# Altium PCB PCB-Tester-Board-V1.PcbDoc (part 6 of 7)
Units mil, origin at the board's own origin, x right, y up, seen from the top; angles counter-clockwise.
Board outline 15748.03 x 11811.02 mil, 8 copper layers (Top Layer, Inner1, Inner2, Inner3, Inner4, Inner5, Inner6, Bottom Layer), stack 59.646 mil thick; 751 components, 658 nets, 2830 pads, 1014 vias.
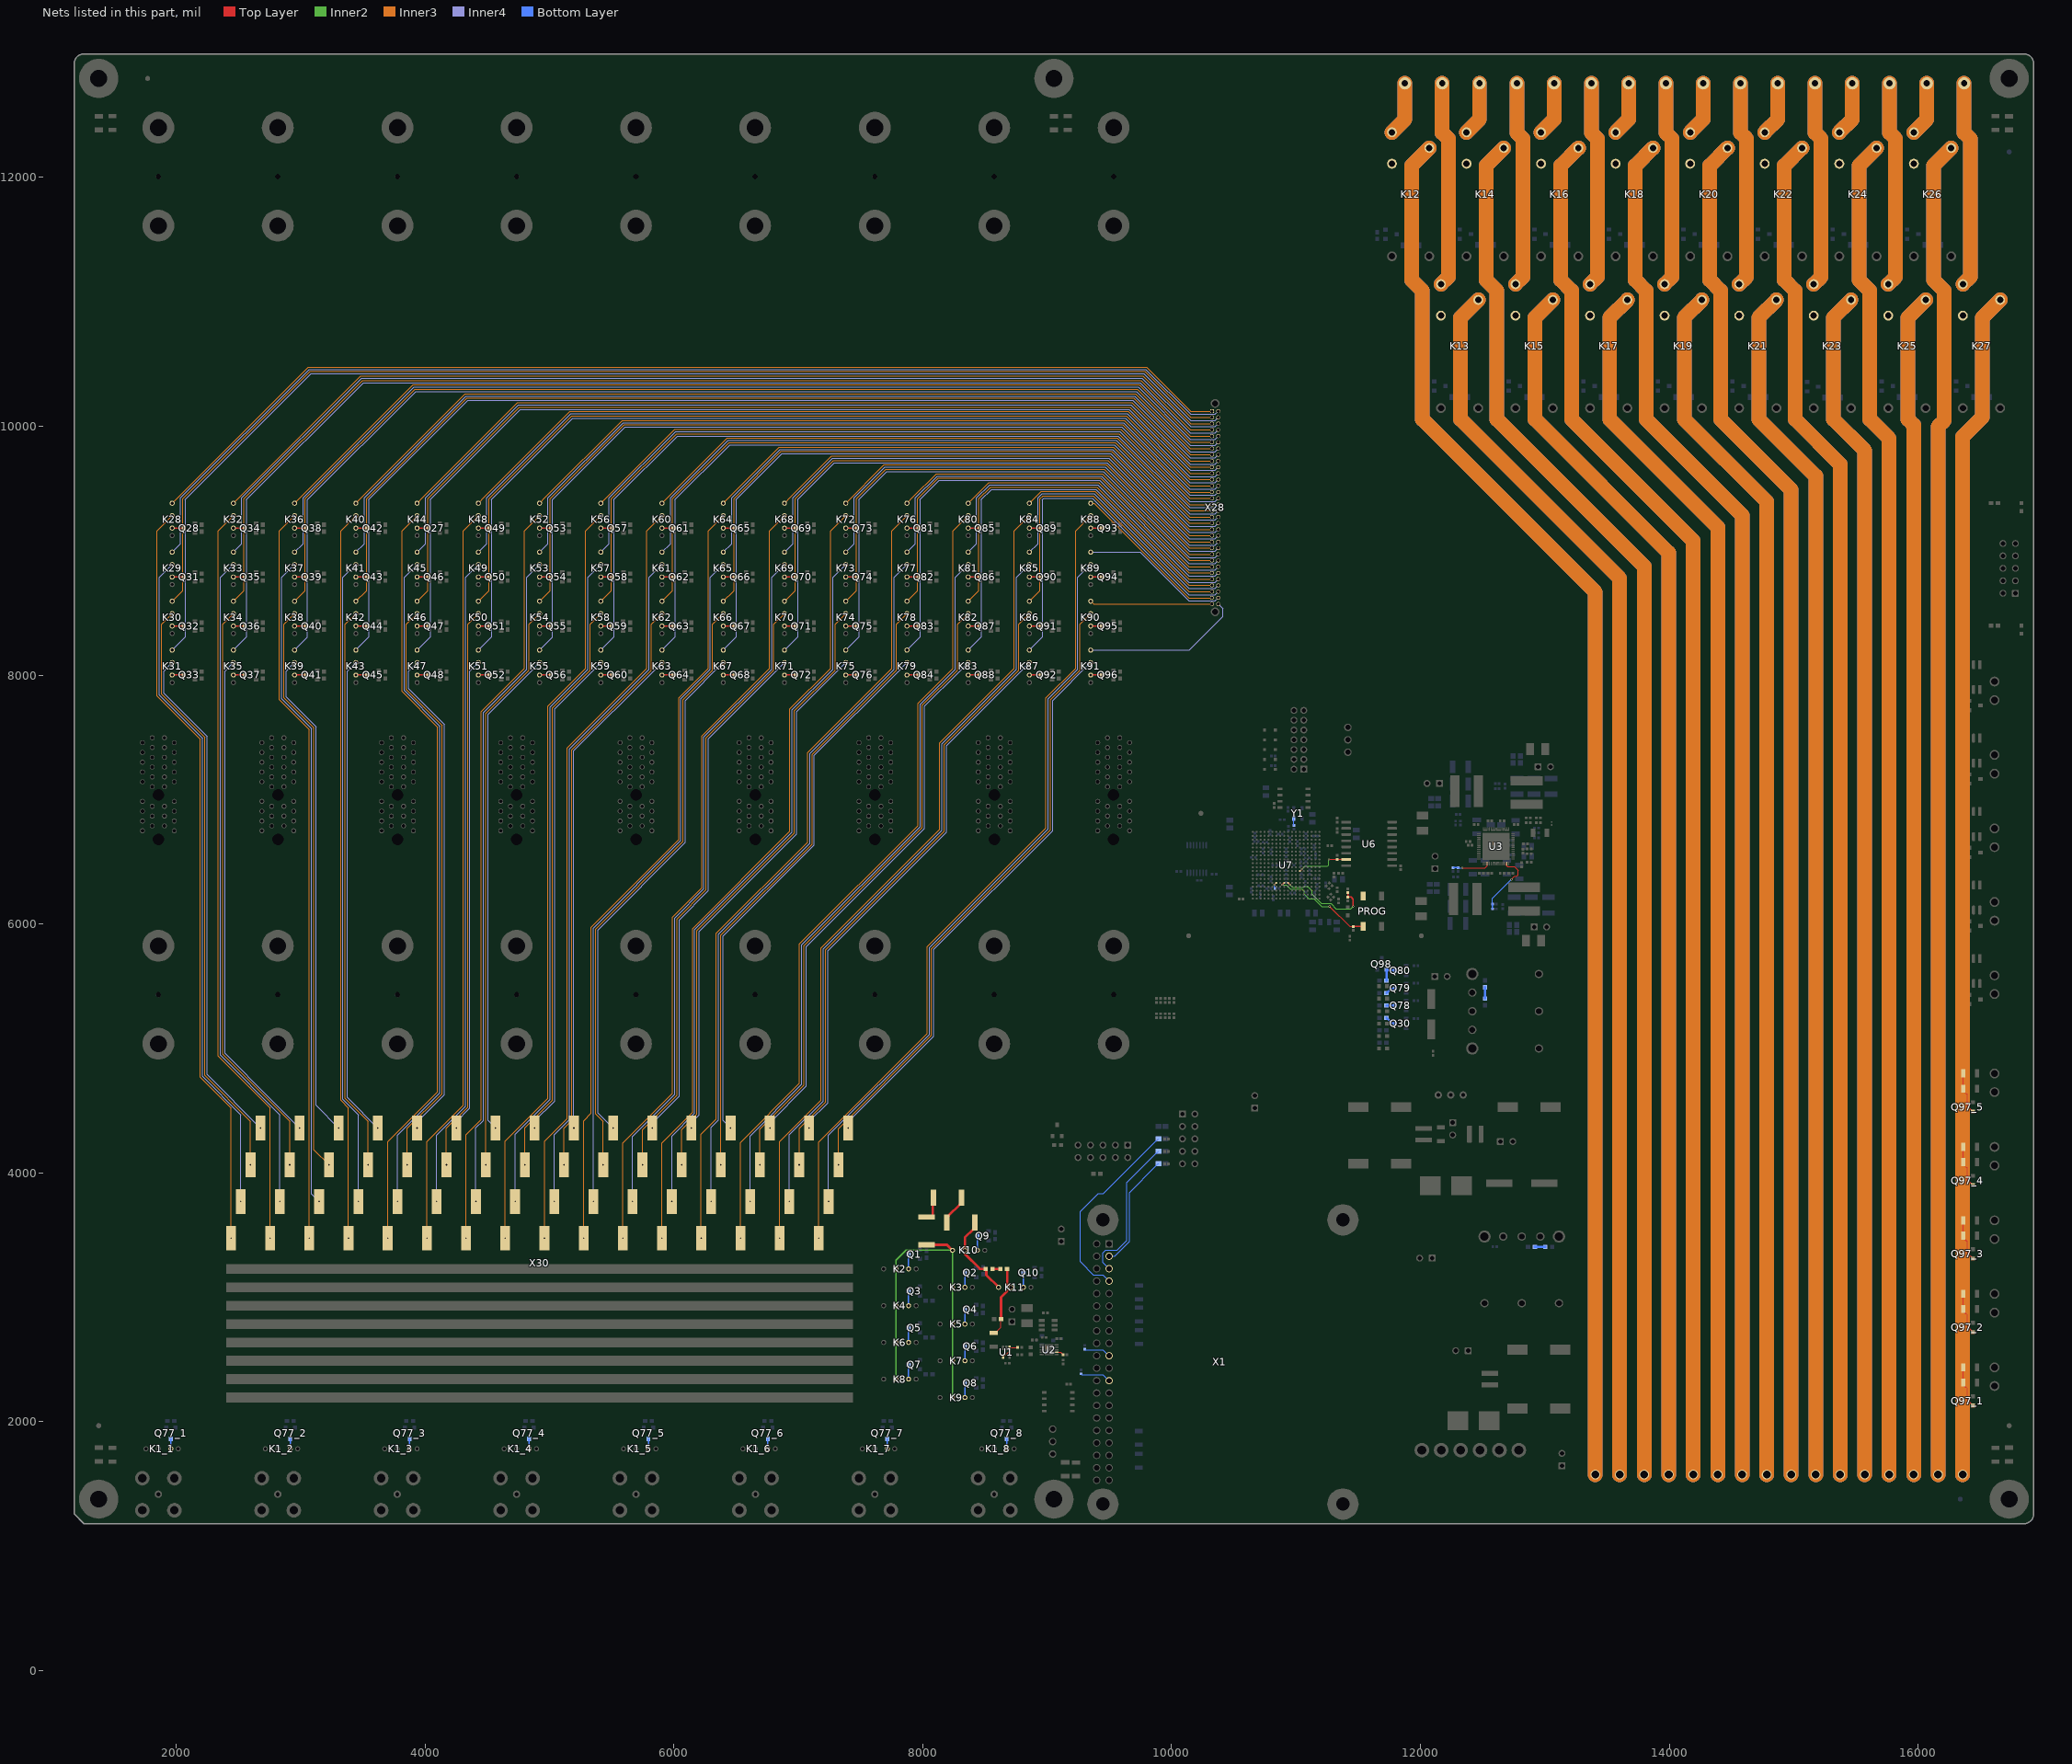
[diagram p12: the nets of this part, all layers, seen from the top]

## Via types
v1: diameter 15.75, hole 7.87, Top Layer to Bottom Layer, 599 vias
v2: diameter 31.5, hole 11.81, Top Layer to Bottom Layer, 361 vias
v3: diameter 27.56, hole 11.81, Top Layer to Bottom Layer, 54 vias

## Nets (pads, with @x,y where several pads share a name; then routed paths per layer and width w, separated by ;. In a path a pad name is that pad's centre, name@x,y a point inside that pad or via, vN(x,y) a via of type N, cw(c..) or ccw(c..) an arc to the next point about the centre after c; other vN are vias at no path point) (continued)
NetJ16_2: J16.2 X1.3 | length 936.2
  Bottom Layer w6: X1.3@9498.57,3330.32 9543.75,3330.32 9661.57,3448.14 9661.57,3842.97 9875.14,4056.54 9891.82,4073.23 J16.2@9895.76,4073.23
NetJ17_2: J17.2 X1.5 | length 1203.4
  Bottom Layer w6: X1.5@9498.57,3230.32 9449.8,3279.08 9449.8,3358.01 9472.17,3380.39 9562.99,3380.39 9641.23,3458.62 9641.23,3922.71 9875.06,4156.54 9879.08,4156.54 J17.2@9895.76,4173.23
NetJ18_2: J18.2 X1.7 | length 1570.9
  Bottom Layer w6: X1.7@9498.57,3130.32 9448.91,3179.97 9371.77,3179.97 9266.51,3285.22 9266.51,3688.48 9413.39,3835.36 9453.94,3835.36 9875.13,4256.54 9879.08,4256.54 J18.2@9895.76,4273.23
NetK1_1_2: K1_1.2 Q77_1.3 | length 80
  Bottom Layer w10: K1_1.2@1957.78,1782.32 Q77_1.3@1957.78,1862.32
NetK1_2_2: K1_2.2 Q77_2.3 | length 80
  Bottom Layer w10: K1_2.2@2917.42,1782.32 Q77_2.3@2917.42,1862.32
NetK1_3_2: K1_3.2 Q77_3.3 | length 80
  Bottom Layer w10: K1_3.2@3877.07,1782.32 Q77_3.3@3877.07,1862.32
NetK1_4_2: K1_4.2 Q77_4.3 | length 80
  Bottom Layer w10: K1_4.2@4836.71,1782.32 Q77_4.3@4836.71,1862.32
NetK1_5_2: K1_5.2 Q77_5.3 | length 80
  Bottom Layer w10: K1_5.2@5796.36,1782.32 Q77_5.3@5796.36,1862.32
NetK1_6_2: K1_6.2 Q77_6.3 | length 80
  Bottom Layer w10: K1_6.2@6756,1782.32 Q77_6.3@6756,1862.32
NetK1_7_2: K1_7.2 Q77_7.3 | length 80
  Bottom Layer w10: K1_7.2@7715.65,1782.32 Q77_7.3@7715.65,1862.32
NetK1_8_2: K1_8.2 Q77_8.3 | length 80
  Bottom Layer w10: K1_8.2@8675.3,1782.32 Q77_8.3@8675.3,1862.32
NetK2_2: K2.2 Q1.3 | length 117.3
  Bottom Layer w10: K2.2@7887.01,3228.35 Q1.3@7887.01,3345.67
NetK2_3: K2.3 K3.3 K4.3 K5.3 K6.3 K7.3 K8.3 K9.3 K10.4 R109.2 | length 2850.7
  Top Layer w20: R109.2@8031.5,3421.26 8196.06,3421.26 K10.4@8239.76,3377.56
  Inner2 w10: K8.3@7787.01,2342.52 K6.3@7787.01,2637.8 K4.3@7787.01,2933.07 K2.3@7787.01,3228.35 7787.01,3298.82 7865.75,3377.56 K10.4@8239.76,3377.56 K3.3@8239.76,3080.71 K5.3@8239.76,2785.43 K7.3@8239.76,2490.16 K9.3@8239.76,2194.88
NetK3_2: K3.2 Q2.3 | length 117.3
  Bottom Layer w10: K3.2@8339.76,3080.71 Q2.3@8339.76,3198.03
NetK4_2: K4.2 Q3.3 | length 117.3
  Bottom Layer w10: K4.2@7887.01,2933.07 Q3.3@7887.01,3050.39
NetK5_2: K5.2 Q4.3 | length 117.3
  Bottom Layer w10: K5.2@8339.76,2785.43 Q4.3@8339.76,2902.76
NetK6_2: K6.2 Q5.3 | length 117.3
  Bottom Layer w10: K6.2@7887.01,2637.8 Q5.3@7887.01,2755.12
NetK7_2: K7.2 Q6.3 | length 117.3
  Bottom Layer w10: K7.2@8339.76,2490.16 Q6.3@8339.76,2607.48
NetK8_2: K8.2 Q7.3 | length 117.3
  Bottom Layer w10: K8.2@7887.01,2342.52 Q7.3@7887.01,2459.84
NetK9_2: K9.2 Q8.3 | length 117.3
  Bottom Layer w10: K9.2@8339.76,2194.88 Q8.3@8339.76,2312.2
NetK10_2: K10.2 Q9.3 | length 117.3
  Bottom Layer w10: K10.2@8439.76,3377.56 Q9.3@8439.76,3494.88
NetK10_3: K10.3 K11.4 R110.2 R111.2 | length 694.8
  Top Layer w20: R110.2@8419.29,3602.36 8419.29,3559.06 8407.64,3547.4 8406.9,3547.4 8339.76,3480.26 K10.3@8339.76,3377.56 8340.04,3377.28 8340.04,3347.12 8458.82,3228.35 8506.25,3228.35 8512,3222.6 8512,3178.87 K11.4@8610.16,3080.71
NetK11_2: K11.2 Q10.3 | length 117.3
  Bottom Layer w10: K11.2@8810.16,3080.71 Q10.3@8810.16,3198.03
NetK11_3: K11.3 R13.2 R112.2 R177.2 | length 593.6
  Top Layer w6: R177.2@8569.96,2714.9 8585.71,2714.9 8629.92,2759.12 R13.2@8629.92,2824.8
  Top Layer w20: R13.2@8629.92,2824.8 8630.16,2825.04 8630.16,3000.71 K11.3@8710.16,3080.71 8679.13,3111.73 R112.2@8679.13,3228.35
NetK12_2: K12.2 X6.1 | length 22664
  Inner3 w118.11: K12.2@12071.65,12236.22 11929.13,12093.7 11929.13,11176.22 12016.14,11089.21 12016.14,10056.88 13405.51,8667.51 X6.1@13405.51,1574.8
  Inner4 w118.11: K12.2@12071.65,12236.22 11929.13,12093.7 11929.13,11176.22 12016.14,11089.21 12016.14,10056.88 13405.51,8667.51 X6.1@13405.51,1574.8
NetK12_3: K12.3 X5.2 | length 874
  Inner3 w118.11: K12.3@11771.65,12362.2 11876.18,12466.73 X5.2@11876.18,12755.91
  Inner4 w118.11: K12.3@11771.65,12362.2 11876.18,12466.73 X5.2@11876.18,12755.91
NetK12_4: K12.4
NetK13_2: K13.2 X6.2 | length 20060
  Inner3 w118.11: K13.2@12465.35,11015.75 12322.83,10873.23 12322.83,10056.88 13602.36,8777.36 X6.2@13602.36,1574.8
  Inner4 w118.11: K13.2@12465.35,11015.75 12322.83,10873.23 12322.83,10056.88 13602.36,8777.36 X6.2@13602.36,1574.8
NetK13_3: K13.3 X5.1 | length 3317.5
  Inner3 w118.11: K13.3@12165.35,11141.73 12224.41,11200.79 12224.41,12310.82 12175.79,12359.44 X5.1@12175.79,12755.91
  Inner4 w118.11: K13.3@12165.35,11141.73 12224.41,11200.79 12224.41,12310.82 12175.79,12359.44 X5.1@12175.79,12755.91
NetK13_4: K13.4
NetK14_2: K14.2 X9.1 | length 22493.7
  Inner3 w118.11: K14.2@12670.87,12236.22 12528.35,12093.7 12528.35,11176.22 12615.35,11089.21 12615.35,10056.88 13799.21,8873.03 X9.1@13799.21,1574.8
  Inner4 w118.11: K14.2@12670.87,12236.22 12528.35,12093.7 12528.35,11176.22 12615.35,11089.21 12615.35,10056.88 13799.21,8873.03 X9.1@13799.21,1574.8
NetK14_3: K14.3 X8.2 | length 874
  Inner3 w118.11: K14.3@12370.87,12362.2 12475.39,12466.73 X8.2@12475.39,12755.91
  Inner4 w118.11: K14.3@12370.87,12362.2 12475.39,12466.73 X8.2@12475.39,12755.91
NetK14_4: K14.4
NetK15_2: K15.2 X9.2 | length 19889.7
  Inner3 w118.11: K15.2@13064.57,11015.75 12922.05,10873.23 12922.05,10056.88 13996.06,8982.87 X9.2@13996.06,1574.8
  Inner4 w118.11: K15.2@13064.57,11015.75 12922.05,10873.23 12922.05,10056.88 13996.06,8982.87 X9.2@13996.06,1574.8
NetK15_3: K15.3 X8.1 | length 3317.5
  Inner3 w118.11: K15.3@12764.57,11141.73 12823.62,11200.79 12823.62,12310.82 12775,12359.44 X8.1@12775,12755.91
  Inner4 w118.11: K15.3@12764.57,11141.73 12823.62,11200.79 12823.62,12310.82 12775,12359.44 X8.1@12775,12755.91
NetK15_4: K15.4
NetK16_2: K16.2 X12.1 | length 22323.5
  Inner3 w118.11: K16.2@13270.08,12236.22 13127.56,12093.7 13127.56,11176.22 13214.57,11089.21 13214.57,10056.88 14192.91,9078.54 X12.1@14192.91,1574.8
  Inner4 w118.11: K16.2@13270.08,12236.22 13127.56,12093.7 13127.56,11176.22 13214.57,11089.21 13214.57,10056.88 14192.91,9078.54 X12.1@14192.91,1574.8
NetK16_3: K16.3 X11.2 | length 874
  Inner3 w118.11: K16.3@12970.08,12362.2 13074.61,12466.73 X11.2@13074.61,12755.91
  Inner4 w118.11: K16.3@12970.08,12362.2 13074.61,12466.73 X11.2@13074.61,12755.91
NetK16_4: K16.4
NetK17_2: K17.2 X12.2 | length 19719.4
  Inner3 w118.11: K17.2@13663.78,11015.75 13521.26,10873.23 13521.26,10056.88 14389.76,9188.38 X12.2@14389.76,1574.8
  Inner4 w118.11: K17.2@13663.78,11015.75 13521.26,10873.23 13521.26,10056.88 14389.76,9188.38 X12.2@14389.76,1574.8
NetK17_3: K17.3 X11.1 | length 3317.5
  Inner3 w118.11: K17.3@13363.78,11141.73 13422.83,11200.79 13422.83,12310.82 13374.21,12359.44 X11.1@13374.21,12755.91
  Inner4 w118.11: K17.3@13363.78,11141.73 13422.83,11200.79 13422.83,12310.82 13374.21,12359.44 X11.1@13374.21,12755.91
NetK17_4: K17.4
NetK18_2: K18.2 X13.1 | length 22153.2
  Inner3 w118.11: K18.2@13869.29,12236.22 13726.77,12093.7 13726.77,11176.22 13813.78,11089.21 13813.78,10056.88 14586.61,9284.05 X13.1@14586.61,1574.8
  Inner4 w118.11: K18.2@13869.29,12236.22 13726.77,12093.7 13726.77,11176.22 13813.78,11089.21 13813.78,10056.88 14586.61,9284.05 X13.1@14586.61,1574.8
NetK18_3: K18.3 X14.2 | length 874
  Inner3 w118.11: K18.3@13569.29,12362.2 13673.82,12466.73 X14.2@13673.82,12755.91
  Inner4 w118.11: K18.3@13569.29,12362.2 13673.82,12466.73 X14.2@13673.82,12755.91
NetK18_4: K18.4
NetK19_2: K19.2 X13.2 | length 19549.2
  Inner3 w118.11: K19.2@14262.99,11015.75 14120.47,10873.23 14120.47,10056.88 14783.46,9393.89 X13.2@14783.46,1574.8
  Inner4 w118.11: K19.2@14262.99,11015.75 14120.47,10873.23 14120.47,10056.88 14783.46,9393.89 X13.2@14783.46,1574.8
NetK19_3: K19.3 X14.1 | length 3317.5
  Inner3 w118.11: K19.3@13962.99,11141.73 14022.05,11200.79 14022.05,12310.82 13973.43,12359.44 X14.1@13973.43,12755.91
  Inner4 w118.11: K19.3@13962.99,11141.73 14022.05,11200.79 14022.05,12310.82 13973.43,12359.44 X14.1@13973.43,12755.91
NetK19_4: K19.4
NetK20_2: K20.2 X16.1 | length 21983
  Inner3 w118.11: K20.2@14468.5,12236.22 14325.98,12093.7 14325.98,11176.22 14412.99,11089.21 14412.99,10056.88 14980.31,9489.56 X16.1@14980.32,1574.8
  Inner4 w118.11: K20.2@14468.5,12236.22 14325.98,12093.7 14325.98,11176.22 14412.99,11089.21 14412.99,10056.88 14980.31,9489.56 X16.1@14980.32,1574.8
NetK20_3: K20.3 X18.2 | length 874
  Inner3 w118.11: K20.3@14168.5,12362.2 14273.03,12466.73 X18.2@14273.03,12755.91
  Inner4 w118.11: K20.3@14168.5,12362.2 14273.03,12466.73 X18.2@14273.03,12755.91
NetK20_4: K20.4
NetK21_2: K21.2 X16.2 | length 19378.9
  Inner3 w118.11: K21.2@14862.2,11015.75 14719.69,10873.23 14719.69,10056.88 15177.16,9599.4 X16.2@15177.17,1574.8
  Inner4 w118.11: K21.2@14862.2,11015.75 14719.69,10873.23 14719.69,10056.88 15177.16,9599.4 X16.2@15177.17,1574.8
NetK21_3: K21.3 X18.1 | length 3317.5
  Inner3 w118.11: K21.3@14562.2,11141.73 14621.26,11200.79 14621.26,12310.82 14572.64,12359.44 X18.1@14572.64,12755.91
  Inner4 w118.11: K21.3@14562.2,11141.73 14621.26,11200.79 14621.26,12310.82 14572.64,12359.44 X18.1@14572.64,12755.91
NetK21_4: K21.4
NetK22_2: K22.2 X19.1 | length 21812.7
  Inner3 w118.11: K22.2@15067.72,12236.22 14925.2,12093.7 14925.2,11176.22 15012.2,11089.21 15012.2,10056.88 15374.01,9695.07 X19.1@15374.02,1574.8
  Inner4 w118.11: K22.2@15067.72,12236.22 14925.2,12093.7 14925.2,11176.22 15012.2,11089.21 15012.2,10056.88 15374.01,9695.07 X19.1@15374.02,1574.8
NetK22_3: K22.3 X20.2 | length 874
  Inner3 w118.11: K22.3@14767.72,12362.2 14872.24,12466.73 X20.2@14872.24,12755.91
  Inner4 w118.11: K22.3@14767.72,12362.2 14872.24,12466.73 X20.2@14872.24,12755.91
NetK22_4: K22.4
NetK23_2: K23.2 X19.2 | length 19208.7
  Inner3 w118.11: K23.2@15461.42,11015.75 15318.9,10873.23 15318.9,10056.88 15570.86,9804.92 X19.2@15570.87,1574.8
  Inner4 w118.11: K23.2@15461.42,11015.75 15318.9,10873.23 15318.9,10056.88 15570.86,9804.92 X19.2@15570.87,1574.8
NetK23_3: K23.3 X20.1 | length 3317.5
  Inner3 w118.11: K23.3@15161.42,11141.73 15220.47,11200.79 15220.47,12310.82 15171.85,12359.44 X20.1@15171.85,12755.91
  Inner4 w118.11: K23.3@15161.42,11141.73 15220.47,11200.79 15220.47,12310.82 15171.85,12359.44 X20.1@15171.85,12755.91
NetK23_4: K23.4
NetK24_2: K24.2 X22.1 | length 21642.5
  Inner3 w118.11: K24.2@15666.93,12236.22 15524.41,12093.7 15524.41,11176.22 15611.42,11089.21 15611.42,10056.88 15767.71,9900.58 X22.1@15767.72,1574.8
  Inner4 w118.11: K24.2@15666.93,12236.22 15524.41,12093.7 15524.41,11176.22 15611.42,11089.21 15611.42,10056.88 15767.71,9900.58 X22.1@15767.72,1574.8
NetK24_3: K24.3 X23.2 | length 874
  Inner3 w118.11: K24.3@15366.93,12362.2 15471.46,12466.73 X23.2@15471.46,12755.91
  Inner4 w118.11: K24.3@15366.93,12362.2 15471.46,12466.73 X23.2@15471.46,12755.91
NetK24_4: K24.4
NetK25_2: K25.2 X22.2 | length 19038.4
  Inner3 w118.11: X22.2@15964.57,1574.8 15964.56,10010.43 15918.11,10056.88 15918.11,10873.23 K25.2@16060.63,11015.75
  Inner4 w118.11: X22.2@15964.57,1574.8 15964.56,10010.43 15918.11,10056.88 15918.11,10873.23 K25.2@16060.63,11015.75
NetK25_3: K25.3 X23.1 | length 3317.5
  Inner3 w118.11: K25.3@15760.63,11141.73 15819.68,11200.79 15819.68,12310.82 15771.06,12359.44 X23.1@15771.06,12755.91
  Inner4 w118.11: K25.3@15760.63,11141.73 15819.68,11200.79 15819.68,12310.82 15771.06,12359.44 X23.1@15771.06,12755.91
NetK25_4: K25.4
NetK26_2: K26.2 X24.1 | length 21553.8
  Inner3 w118.11: X24.1@16161.42,1574.8 16161.41,9997.69 16210.63,10046.91 16210.63,11089.21 16123.62,11176.22 16123.62,12093.7 K26.2@16266.14,12236.22
  Inner4 w118.11: X24.1@16161.42,1574.8 16161.41,9997.69 16210.63,10046.91 16210.63,11089.21 16123.62,11176.22 16123.62,12093.7 K26.2@16266.14,12236.22
NetK26_3: K26.3 X26.2 | length 874
  Inner3 w118.11: K26.3@15966.14,12362.2 16070.67,12466.73 X26.2@16070.67,12755.91
  Inner4 w118.11: K26.3@15966.14,12362.2 16070.67,12466.73 X26.2@16070.67,12755.91
NetK26_4: K26.4
NetK27_2: K27.2 X24.2 | length 19131.7
  Inner3 w118.11: X24.2@16358.27,1574.8 16358.27,9916.16 16517.32,10075.21 16517.32,10873.23 K27.2@16659.84,11015.75
  Inner4 w118.11: X24.2@16358.27,1574.8 16358.27,9916.16 16517.32,10075.21 16517.32,10873.23 K27.2@16659.84,11015.75
NetK27_3: K27.3 X26.1 | length 3317.5
  Inner3 w118.11: K27.3@16359.84,11141.73 16418.9,11200.79 16418.9,12310.82 16370.28,12359.44 X26.1@16370.28,12755.91
  Inner4 w118.11: K27.3@16359.84,11141.73 16418.9,11200.79 16418.9,12310.82 16370.28,12359.44 X26.1@16370.28,12755.91
NetK27_4: K27.4
NetK28_2: K28.2 Q28.3 | length 92.5
  Top Layer w10: K28.2@1968.5,9181.97 Q28.3@2061.02,9181.97
NetK28_3: K28.3 X30.1 | length 6103.9
  Inner3 w8: K28.3@1968.5,9281.97 1847.01,9160.48 1847.01,7833.12 2194.35,7485.77 2194.35,4767.27 2440.94,4520.68 v2(2440.94,3474.41)
NetK28_4: K28.4 X28.1 | length 8957
  Inner3 w8: K28.4@1968.5,9381.97 3062.46,10475.92 9799.77,10475.92 10154.23,10121.46 X28.1@10325.51,10121.46
NetK29_2: K29.2 Q31.3 | length 92.5
  Top Layer w10: K29.2@1968.5,8788.27 Q31.3@2061.02,8788.27
NetK29_3: K29.3 X30.2 | length 5432.7
  Inner4 w8: K29.3@1968.5,8888.27 1864.87,8784.64 1864.87,7840.51 2212.22,7493.17 2212.22,4774.67 2519.68,4467.2 v2(2519.68,3769.68)
NetK29_4: K29.4 X28.2 | length 9391.8
  Inner4 w5: 10301,10096.46 10350.51,10096.46 X28.2@10375.51,10121.46
  Inner4 w8: K29.4@1968.5,8988.27 2036.41,9056.18 2036.41,9424.62 3069.86,10458.06 9792.37,10458.06 10153.98,10096.46 10301,10096.46
NetK30_2: K30.2 Q32.3 | length 92.5
  Top Layer w10: K30.2@1968.5,8394.57 Q32.3@2061.02,8394.57
NetK30_3: K30.3 X30.3 | length 4761.6
  Inner3 w8: K30.3@1968.5,8494.57 1882.73,8408.8 1882.73,7847.91 2230.08,7500.57 2230.08,4782.07 2598.43,4413.72 v2(2598.43,4064.96)
NetK30_4: K30.4 X28.3 | length 9705.9
  Inner3 w8: K30.4@1968.5,8594.57 2054.27,8680.34 2054.27,9417.22 3077.26,10440.2 9784.97,10440.2 10153.72,10071.46 X28.3@10325.51,10071.46
NetK31_2: K31.2 Q33.3 | length 92.5
  Top Layer w10: K31.2@1968.5,8000.87 Q33.3@2061.02,8000.87
NetK31_3: K31.3 X30.4 | length 4090.4
  Inner4 w8: K31.3@1968.5,8100.87 1900.6,8032.96 1900.6,7855.31 2247.94,7507.97 2247.94,4789.46 v2(2677.17,4360.24)
NetK31_4: K31.4 X28.4 | length 10140.7
  Inner4 w5: 10301,10046.46 10350.51,10046.46 X28.4@10375.51,10071.46
  Inner4 w8: K31.4@1968.5,8200.87 2072.13,8304.5 2072.13,9409.82 3084.65,10422.34 9777.57,10422.34 10153.46,10046.46 10301,10046.46
NetK32_2: K32.2 Q34.3 | length 92.5
  Top Layer w10: K32.2@2460.63,9181.97 Q34.3@2553.15,9181.97
NetK32_3: K32.3 X30.5 | length 6030.5
  Inner3 w8: K32.3@2460.63,9281.97 2339.14,9160.48 2339.14,4937.45 2755.91,4520.68 v2(2755.91,3474.41)
NetK32_4: K32.4 X28.5 | length 8447.1
  Inner3 w8: K32.4@2460.63,9381.97 2510.68,9432.02 3483.14,10404.48 9770.18,10404.48 10153.2,10021.46 X28.5@10325.51,10021.46
NetK33_2: K33.2 Q35.3 | length 92.5
  Top Layer w10: K33.2@2460.63,8788.27 Q35.3@2553.15,8788.27
NetK33_3: K33.3 X30.6 | length 5359.4
  Inner4 w8: K33.3@2460.63,8888.27 2357,8784.64 2357,4944.85 2834.65,4467.2 v2(2834.65,3769.68)
NetK33_4: K33.4 X28.6 | length 8881.9
  Inner4 w5: 10301,9996.46 10350.51,9996.46 X28.6@10375.51,10021.46
  Inner4 w8: K33.4@2460.63,8988.27 2528.54,9056.18 2528.54,9424.62 3490.54,10386.62 9762.78,10386.62 10152.94,9996.46 10301,9996.46
NetK34_2: K34.2 Q36.3 | length 92.5
  Top Layer w10: K34.2@2460.63,8394.57 Q36.3@2553.15,8394.57
NetK34_3: K34.3 X30.7 | length 4688.2
  Inner3 w8: K34.3@2460.63,8494.57 2374.86,8408.8 2374.86,4952.24 2913.39,4413.72 v2(2913.39,4064.96)
NetK34_4: K34.4 X28.7 | length 9196
  Inner3 w8: K34.4@2460.63,8594.57 2546.4,8680.34 2546.4,9417.22 3497.94,10368.76 9755.38,10368.76 10152.68,9971.46 X28.7@10325.51,9971.46
NetK35_2: K35.2 Q37.3 | length 92.5
  Top Layer w10: K35.2@2460.63,8000.87 Q37.3@2553.15,8000.87
NetK35_3: K35.3 X30.8 | length 4017
  Inner4 w8: K35.3@2460.63,8100.87 2392.72,8032.96 2392.72,4959.64 2752.95,4599.41 v2(2992.13,4360.24)
NetK35_4: K35.4 X28.8 | length 9630.8
  Inner4 w5: 10301,9946.46 10350.51,9946.46 X28.8@10375.51,9971.46
  Inner4 w8: K35.4@2460.63,8200.87 2564.26,8304.5 2564.26,9409.82 3505.34,10350.9 9747.98,10350.9 10152.42,9946.46 10301,9946.46
NetK36_2: K36.2 Q38.3 | length 92.5
  Top Layer w10: K36.2@2952.76,9181.97 Q38.3@3045.28,9181.97
NetK36_3: K36.3 X30.9 | length 5957.1
  Inner3 w8: K36.3@2952.76,9281.97 2831.27,9160.48 2831.27,7803.92 3070.87,7564.32 v2(3070.87,3474.41)
NetK36_4: K36.4 X28.9 | length 7937.2
  Inner3 w8: K36.4@2952.76,9381.97 3903.83,10333.04 9740.58,10333.04 10152.17,9921.46 X28.9@10325.51,9921.46
NetK37_2: K37.2 Q39.3 | length 92.5
  Top Layer w10: K37.2@2952.76,8788.27 Q39.3@3045.28,8788.27
NetK37_3: K37.3 X30.10 | length 5286
  Inner4 w8: K37.3@2952.76,8888.27 2849.13,8784.64 2849.13,7811.32 3088.73,7571.72 3088.73,3830.56 v2(3149.61,3769.68)
NetK37_4: K37.4 X28.10 | length 8372
  Inner4 w5: 10301,9896.46 10350.51,9896.46 X28.10@10375.51,9921.46
  Inner4 w8: K37.4@2952.76,8988.27 3020.66,9056.18 3020.66,9424.62 3911.23,10315.18 9733.18,10315.18 10151.91,9896.46 10301,9896.46
NetK38_2: K38.2 Q40.3 | length 92.5
  Top Layer w10: K38.2@2952.76,8394.57 Q40.3@3045.28,8394.57
NetK38_3: K38.3 X30.11 | length 4614.8
  Inner3 w8: K38.3@2952.76,8494.57 2866.99,8408.8 2866.99,7818.72 3106.59,7579.12 3106.59,4186.72 v2(3228.35,4064.96)
NetK38_4: K38.4 X28.11 | length 8686.1
  Inner3 w8: K38.4@2952.76,8594.57 3038.53,8680.34 3038.53,9417.22 3918.62,10297.32 9725.79,10297.32 10151.65,9871.46 X28.11@10325.51,9871.46
NetK39_2: K39.2 Q41.3 | length 92.5
  Top Layer w10: K39.2@2952.76,8000.87 Q41.3@3045.28,8000.87
NetK39_3: K39.3 X30.12 | length 3943.7
  Inner4 w8: K39.3@2952.76,8100.87 2884.85,8032.96 2884.85,7826.11 3124.45,7586.51 3124.45,4542.87 v2(3307.09,4360.24)
NetK39_4: K39.4 X28.12 | length 9120.9
  Inner4 w5: 10301,9846.46 10350.51,9846.46 X28.12@10375.51,9871.46
  Inner4 w8: K39.4@2952.76,8200.87 3056.39,8304.5 3056.39,9409.82 3926.02,10279.46 9718.39,10279.46 10151.39,9846.46 10301,9846.46
NetK40_2: K40.2 Q42.3 | length 92.5
  Top Layer w10: K40.2@3444.88,9181.97 Q42.3@3537.4,9181.97
NetK40_3: K40.3 X30.13 | length 5883.7
  Inner3 w8: v2(3385.83,3474.41) 3385.83,4520.68 3323.39,4583.12 3323.39,9160.48 K40.3@3444.88,9281.97
NetK40_4: K40.4 X28.13 | length 7427.3
  Inner3 w8: K40.4@3444.88,9381.97 3494.93,9432.02 4324.51,10261.6 9710.99,10261.6 10151.13,9821.46 X28.13@10325.51,9821.46
NetK41_2: K41.2 Q43.3 | length 92.5
  Top Layer w10: K41.2@3444.88,8788.27 Q43.3@3537.4,8788.27
NetK41_3: K41.3 X30.14 | length 5212.6
  Inner4 w8: K41.3@3444.88,8888.27 3341.25,8784.64 3341.25,4590.51 3464.57,4467.2 v2(3464.57,3769.68)
NetK41_4: K41.4 X28.14 | length 7862.1
  Inner4 w5: 10301,9796.46 10350.51,9796.46 X28.14@10375.51,9821.46
  Inner4 w8: K41.4@3444.88,8988.27 3512.79,9056.18 3512.79,9424.62 4331.91,10243.74 9703.59,10243.74 10150.87,9796.46 10301,9796.46
NetK42_2: K42.2 Q44.3 | length 92.5
  Top Layer w10: K42.2@3444.88,8394.57 Q44.3@3537.4,8394.57
NetK42_3: K42.3 X30.15 | length 4541.4
  Inner3 w8: K42.3@3444.88,8494.57 3359.11,8408.8 3359.11,4597.91 3543.31,4413.72 v2(3543.31,4064.96)
NetK42_4: K42.4 X28.15 | length 8176.2
  Inner3 w8: K42.4@3444.88,8594.57 3530.65,8680.34 3530.65,9417.22 4339.31,10225.88 9696.19,10225.88 10150.61,9771.46 X28.15@10325.51,9771.46
NetK43_2: K43.2 Q45.3 | length 92.5
  Top Layer w10: K43.2@3444.88,8000.87 Q45.3@3537.4,8000.87
NetK43_3: K43.3 X30.16 | length 3870.3
  Inner4 w8: K43.3@3444.88,8100.87 3376.97,8032.96 3376.97,4605.31 v2(3622.05,4360.24)
NetK43_4: K43.4 X28.16 | length 8611
  Inner4 w5: 10301,9746.46 10350.51,9746.46 X28.16@10375.51,9771.46
  Inner4 w8: K43.4@3444.88,8200.87 3548.51,8304.5 3548.51,9409.82 4346.71,10208.02 9688.8,10208.02 10150.36,9746.46 10301,9746.46
NetK44_2: K44.2 Q27.3 | length 92.5
  Top Layer w10: K44.2@3937.01,9181.97 Q27.3@4029.53,9181.97
NetK44_3: K44.3 X30.17 | length 6142.5